# Altium PCB ETH_CAN.PcbDoc (part 1 of 2)
Units mm, origin at the board's own origin, x right, y up, seen from the top; angles counter-clockwise.
Board outline 86 x 80 mm, 2 copper layers (Top Layer, Bottom Layer); 172 components, 128 nets, 655 pads, 126 vias.
Unrouted connection lines stored in the file: 10.
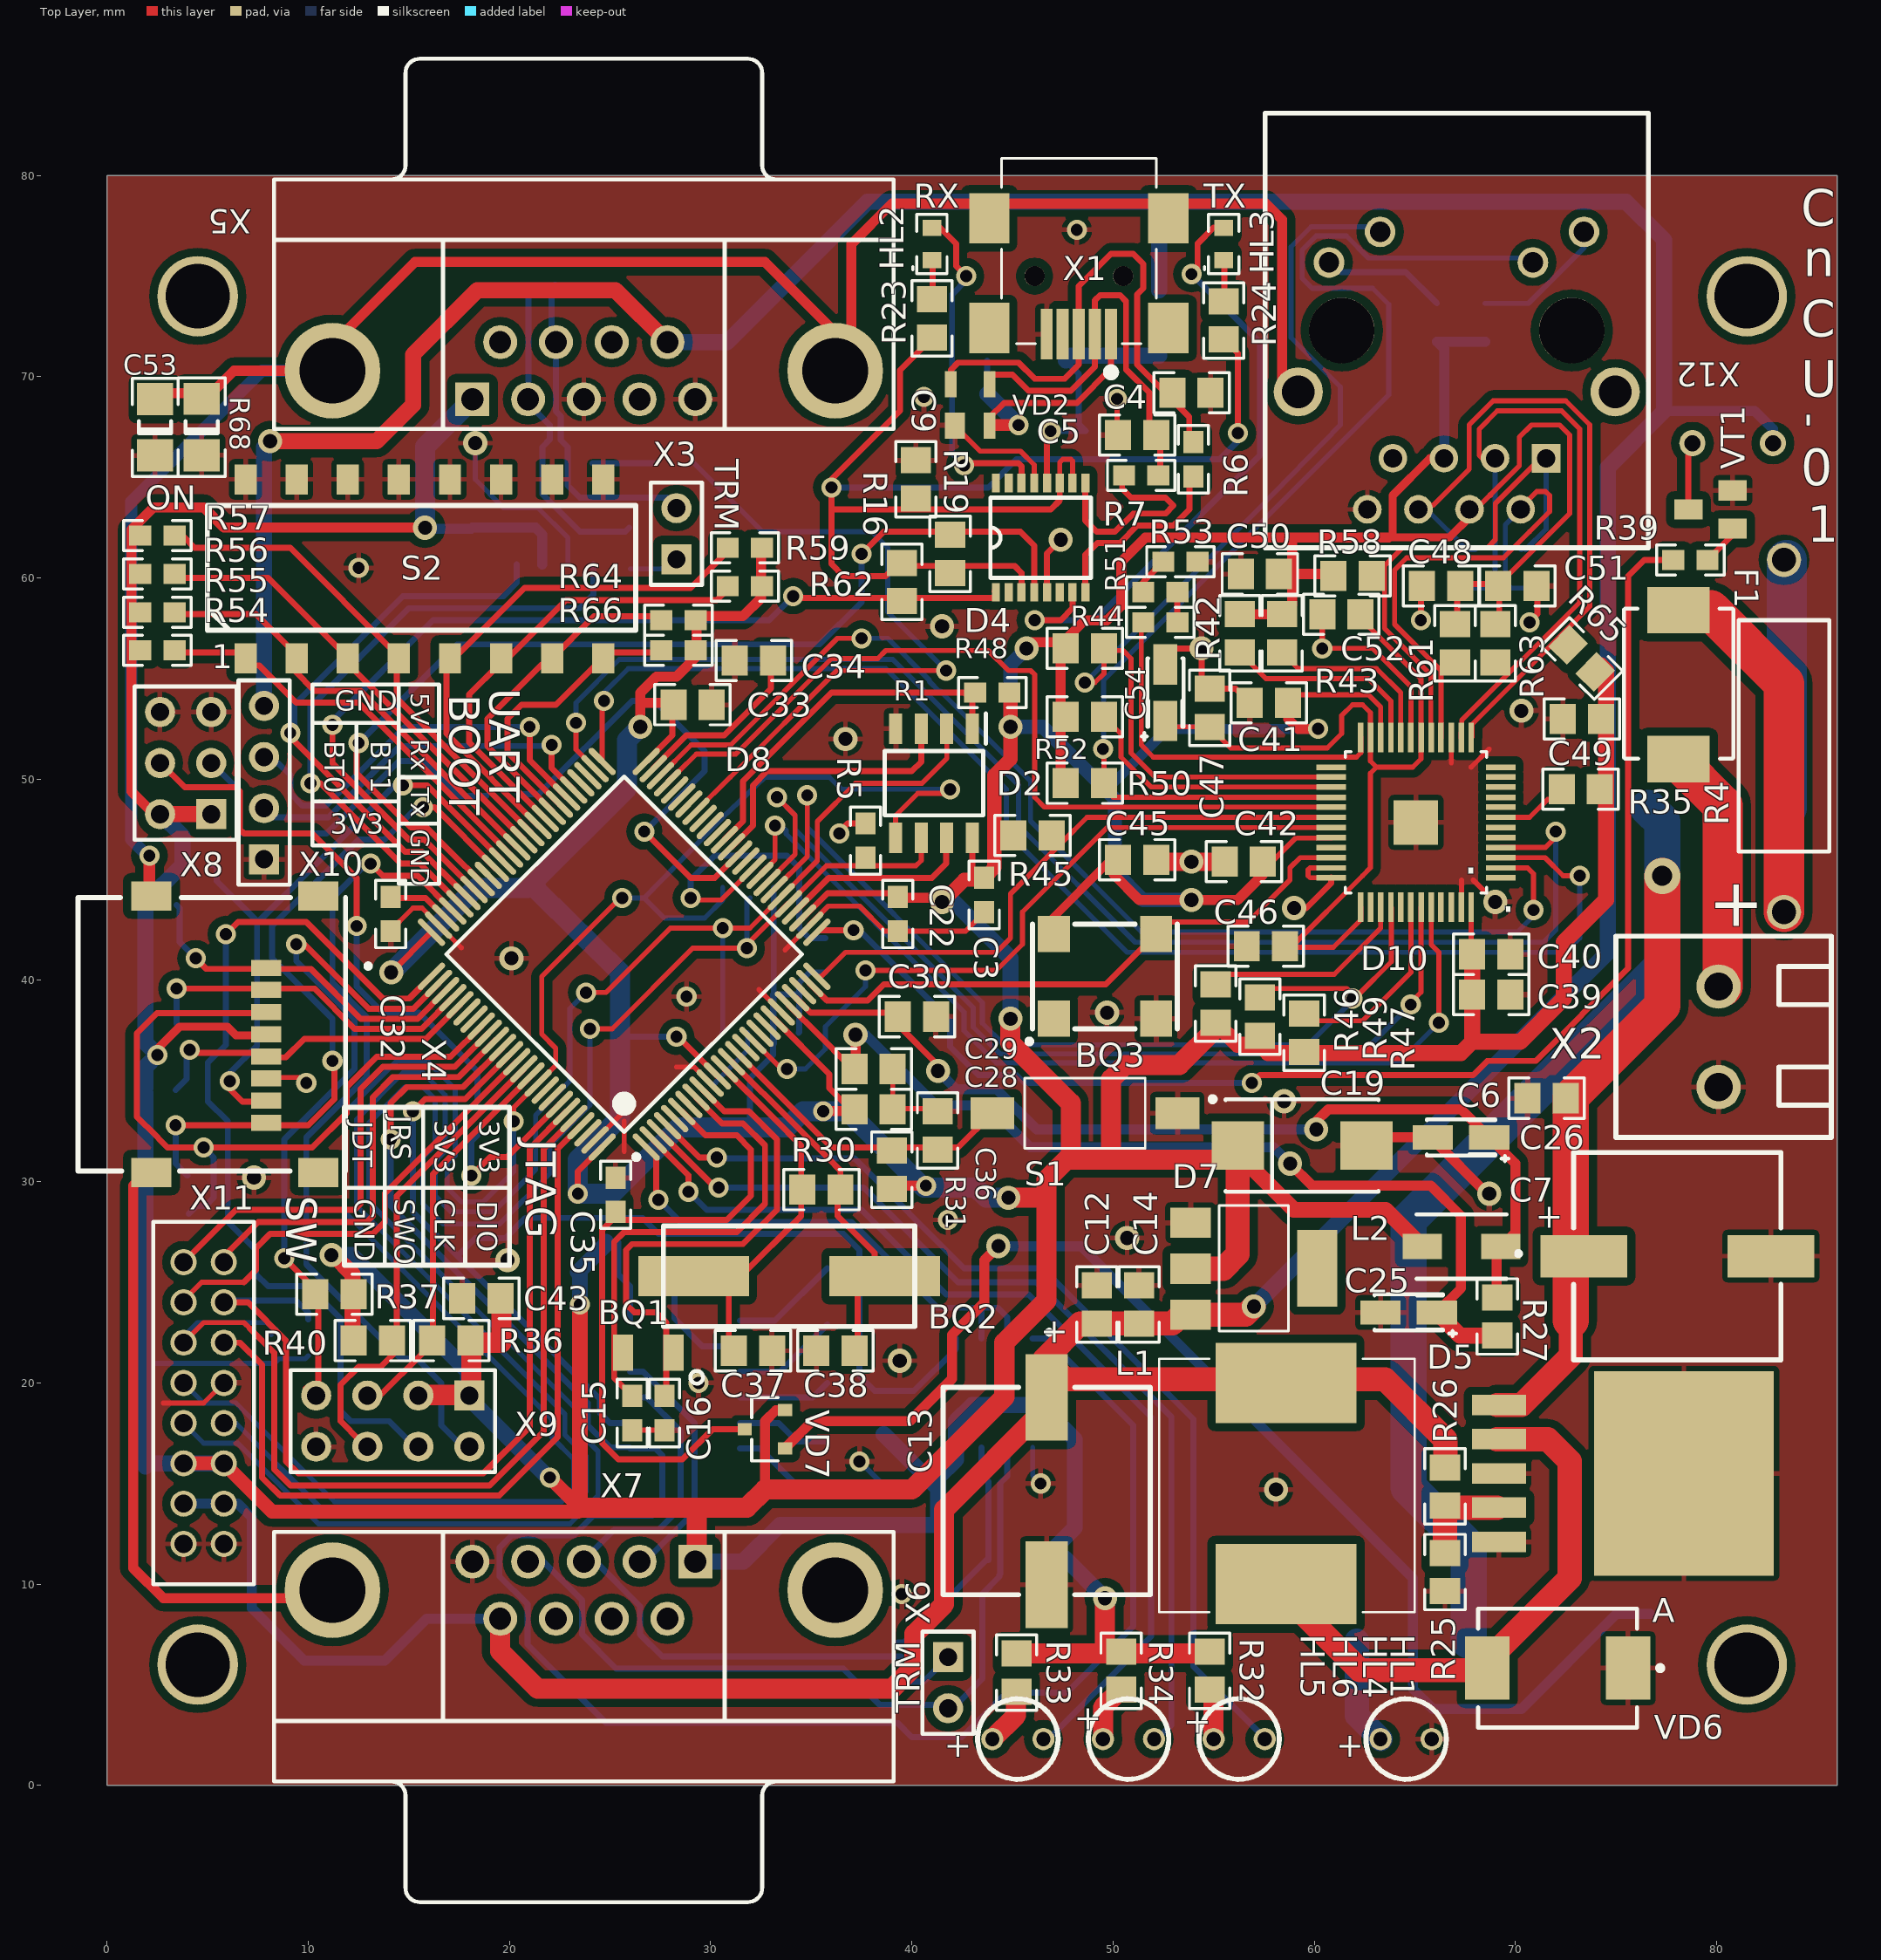
[diagram p0: Top Layer view]
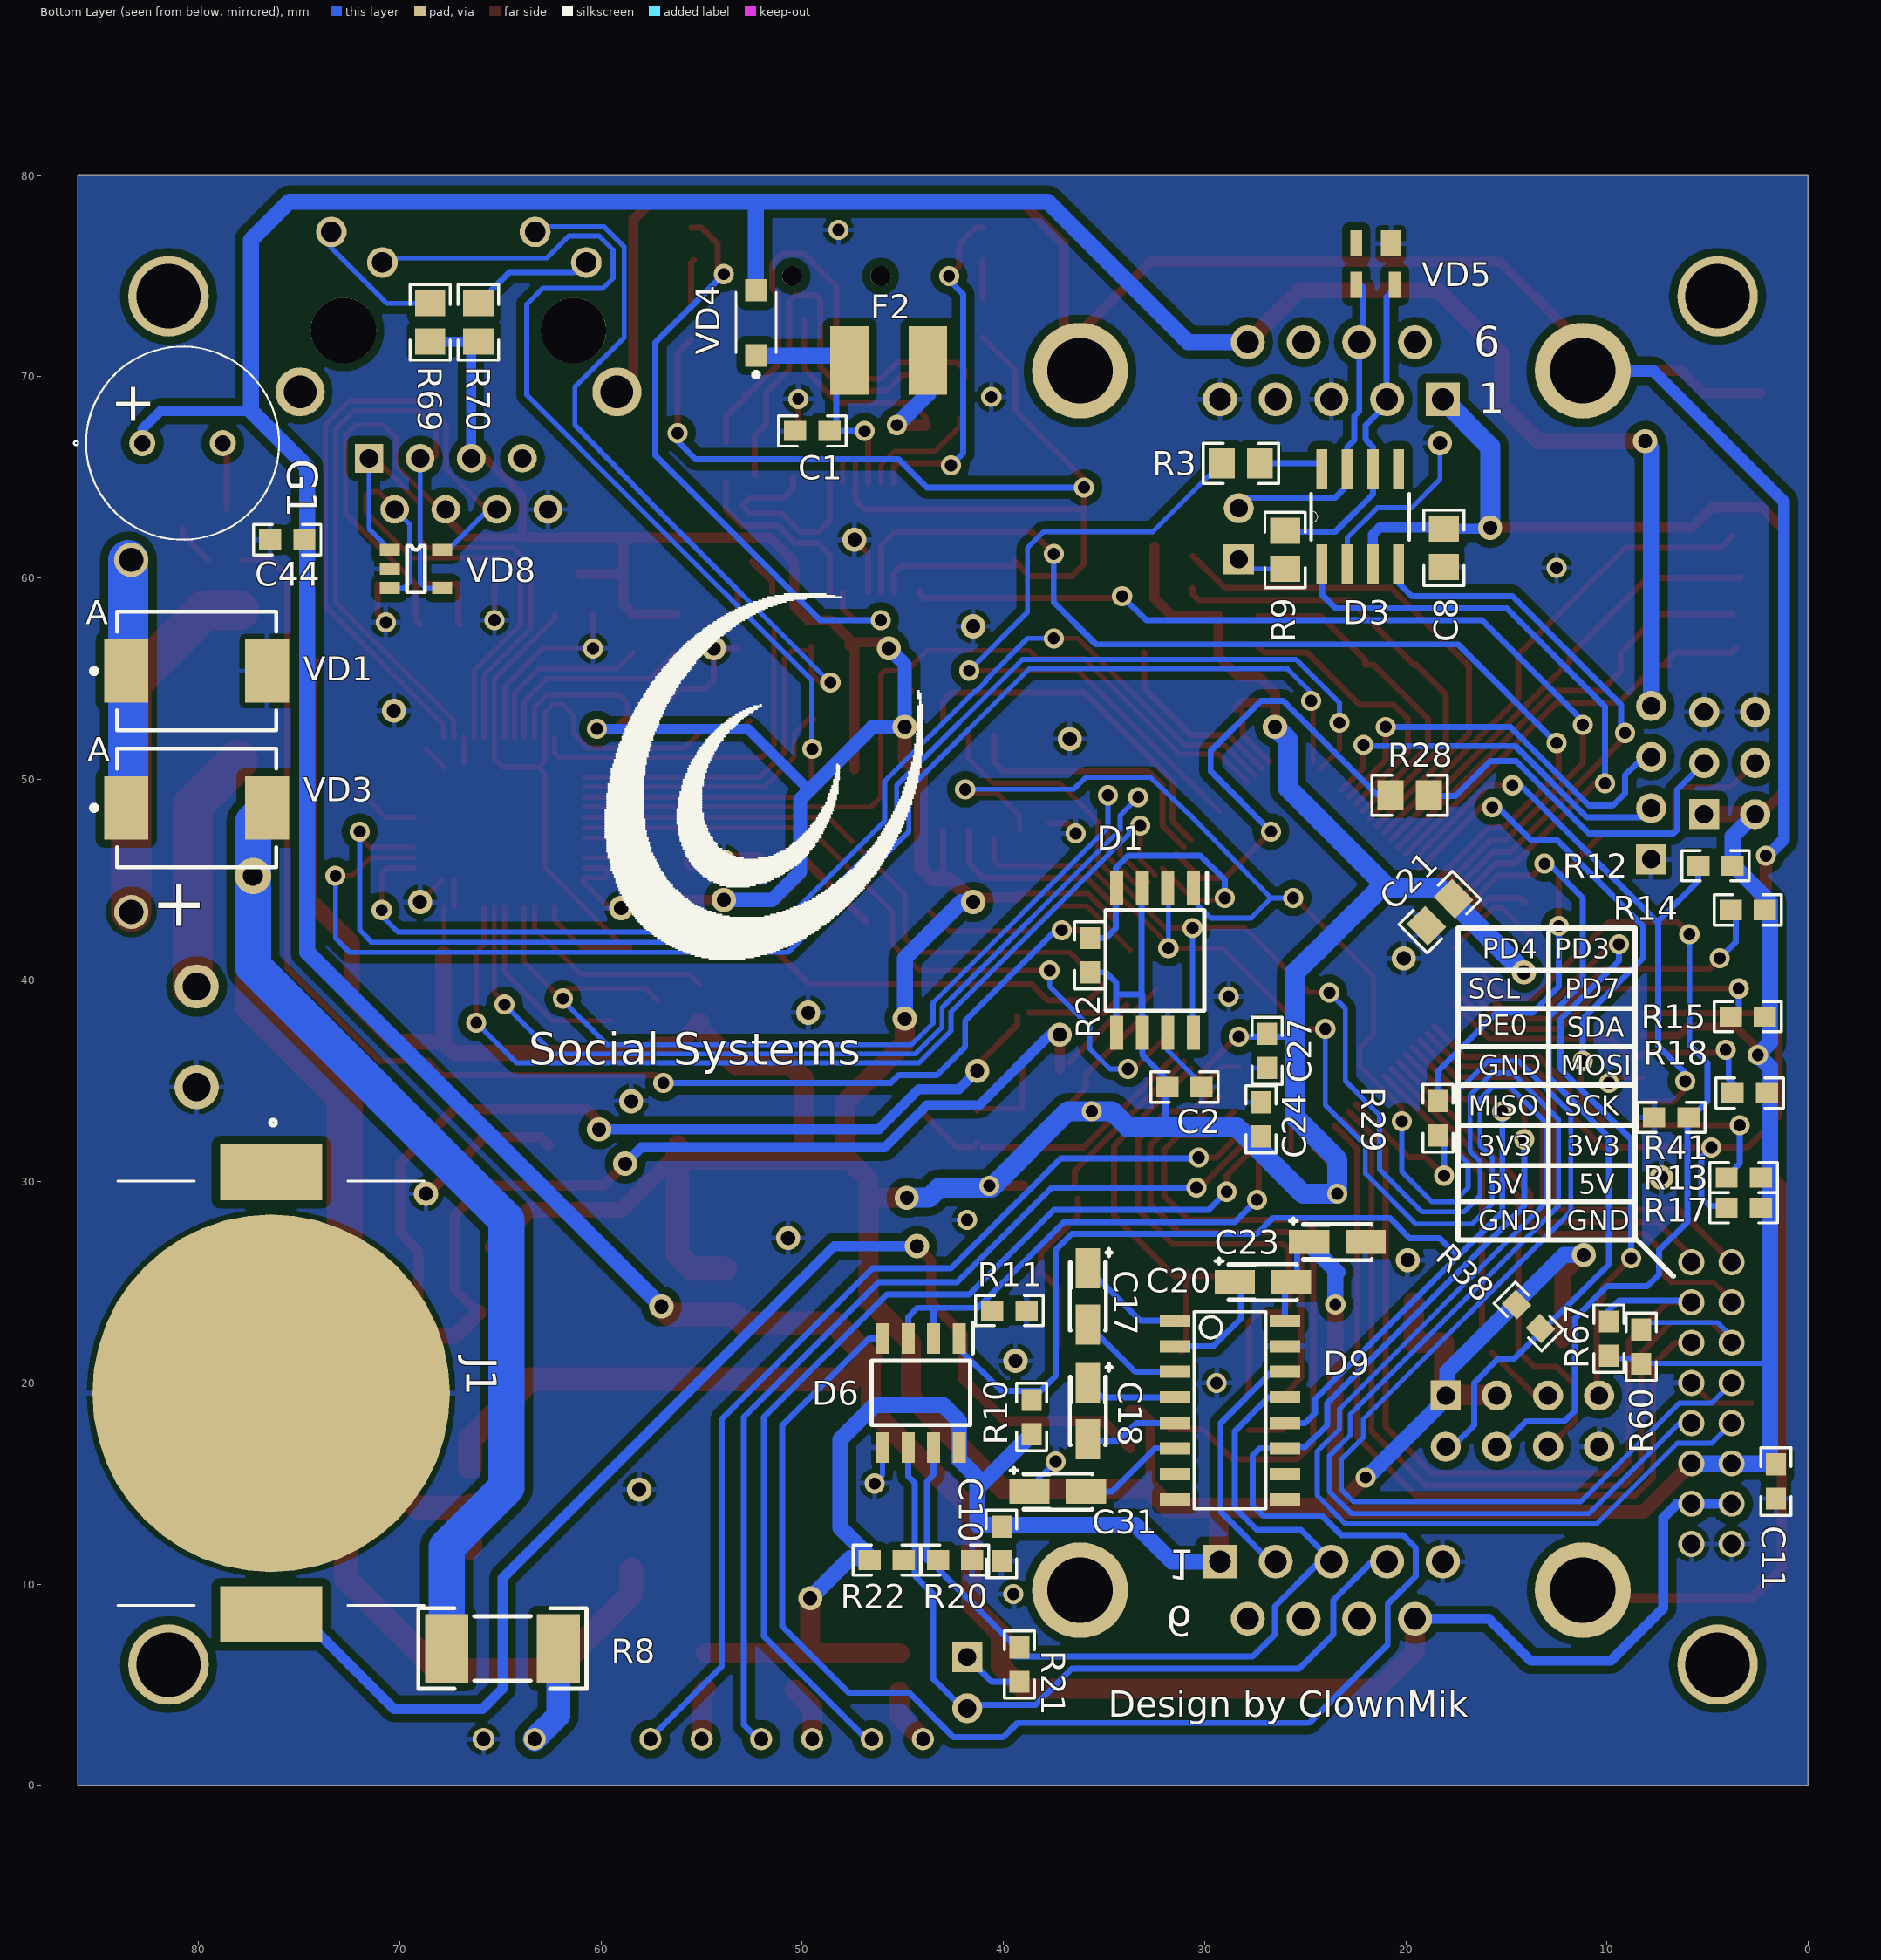
[diagram p1: Bottom Layer view, seen from below]
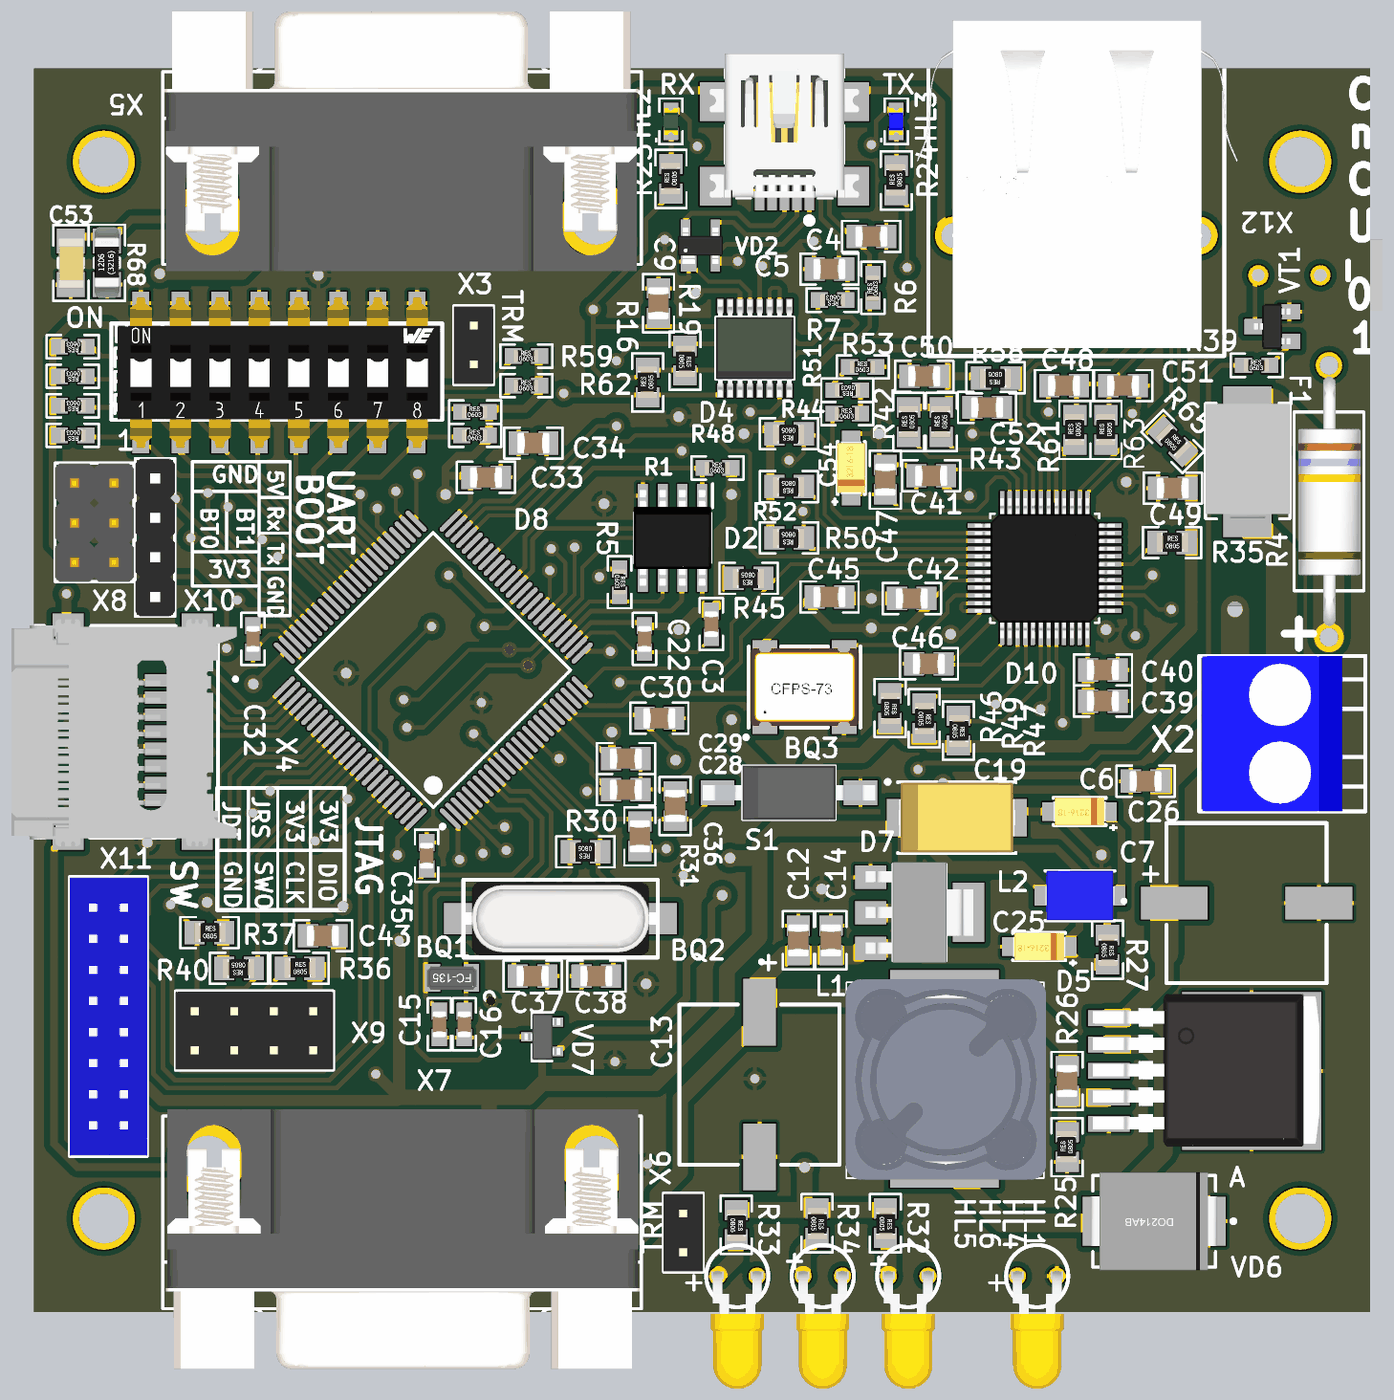
[diagram p3: 3D render of the assembled board from above, using the file's embedded part models]
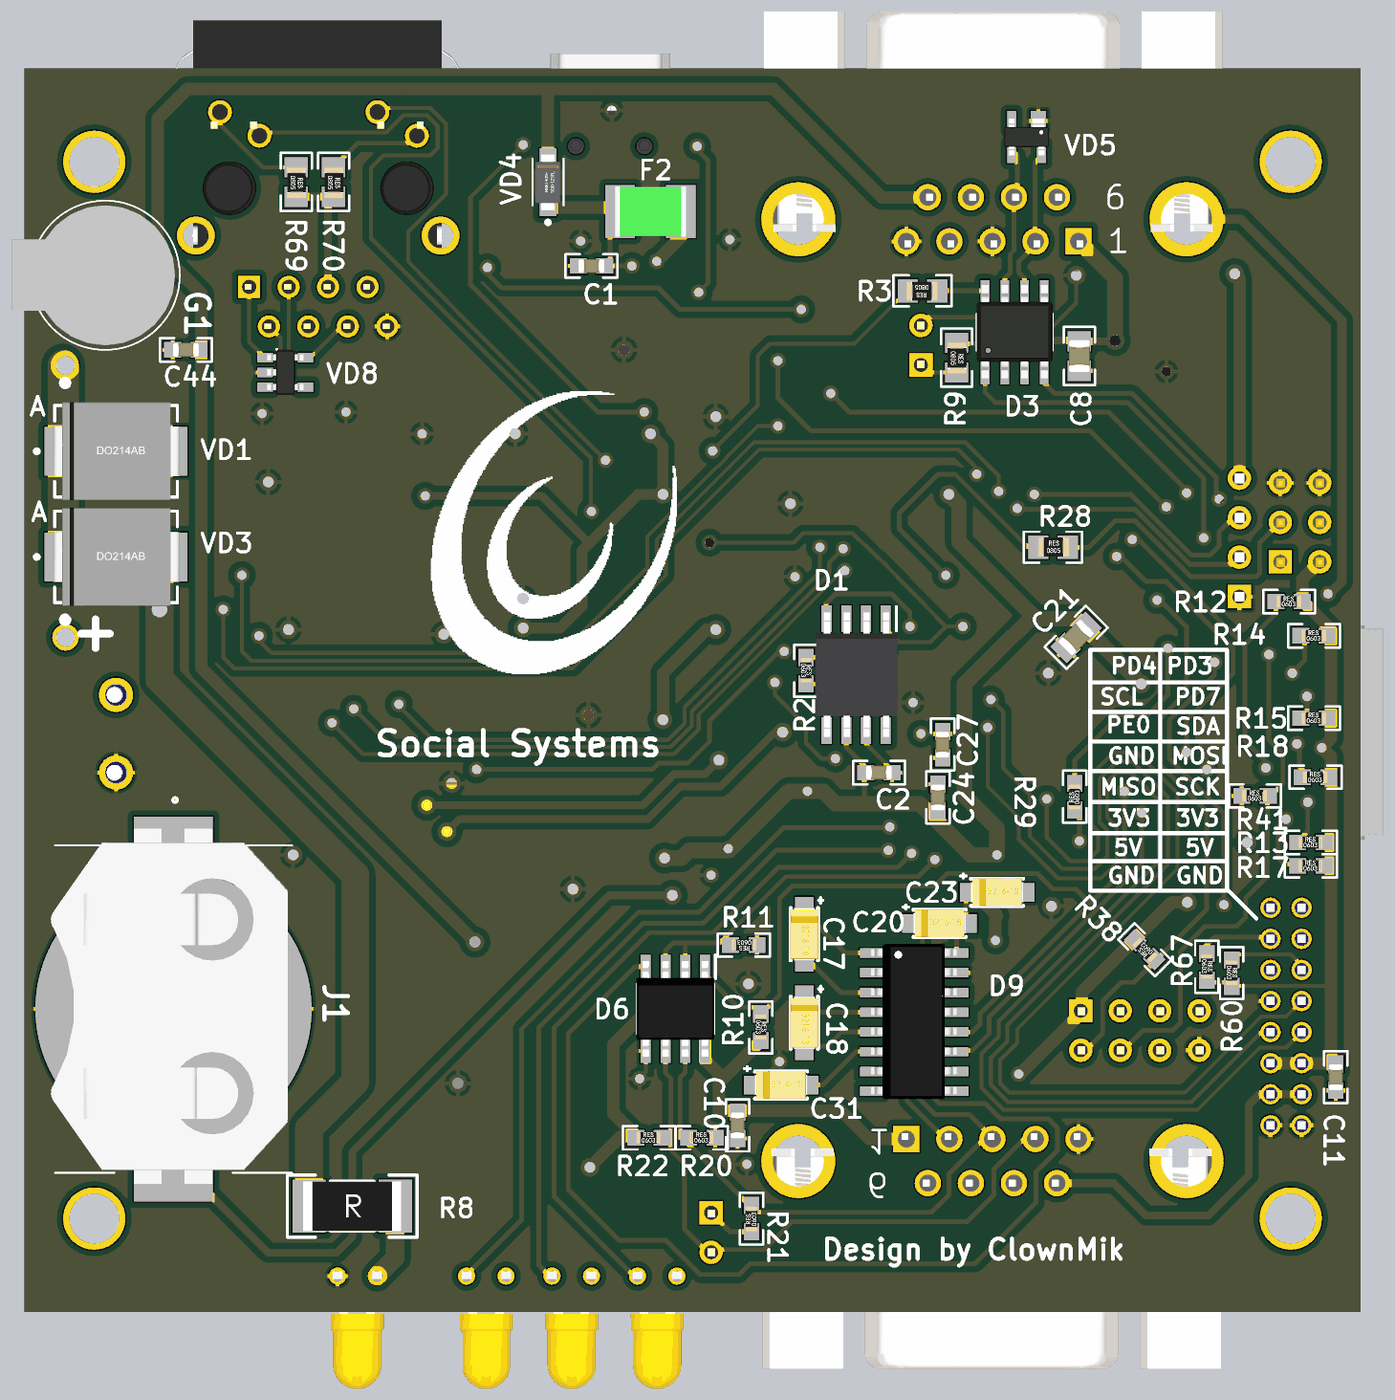
[diagram p4: 3D render of the assembled board from below, using the file's embedded part models]

## Layer stack, top to bottom
Top Solder: solder mask 0.0102, Solder Resist, Dk 3.5
Top Layer: signal copper 0.0356
Dielectric 1: dielectric 0.32, FR-4, Dk 4.8
Bottom Layer: signal copper 0.0356
Bottom Solder: solder mask 0.0102, Solder Resist, Dk 3.5

## Board outline
0,0 86,0 86,80 0,80

## Design rules (kind name [scope] priority, off if disabled: settings)
Clearance Clearance_GND_Poly [InPolygon] p1: gap=0.4 ignorepadtopadclearanceinfootprint=TRUE
Clearance [All] p2: gap=0.2 ignorepadtopadclearanceinfootprint=TRUE
ComponentClearance ComponentClearance_1 [All] p1 off: gap=0.254 collisioncheckmode=3 verticalgap=0.254 showdistances=FALSE
ComponentClearance [All] p2: gap=0 collisioncheckmode=3 verticalgap=0 showdistances=FALSE
DiffPairsRouting [All] p1: maxlimit=0.254 minlimit=0.125 mostfreqgap=0.254 toplayer_minwidth=0.25 toplayer_maxwidth=0.381 toplayer_prefwidth=0.381 bottomlayer_minwidth=0.25 bottomlayer_maxwidth=0.381 bottomlayer_prefwidth=0.381 maxuncoupledlength=12.7
PolygonConnect [All] p1: connectstyle=Relief reliefconductorwidth=0.254 reliefentries=4 polygonreliefangle="90 Angle" airgapwidth=0.254
RoutingVias [All] p1: holewidth=0.711 width=1.27 viastyle="Through Hole" minholewidth=0.6 minwidth=1 maxholewidth=0.711 maxwidth=1.27
SolderMaskExpansion [All] p1: expansion=0.102
Width [All] p1: maxlimit=6 minlimit=0.2 preferedwidth=0.254 toplayer_maxwidth=5 minimp=50.000000 maximp=50.000000 favimp=50.000000
28 further rules are at their usual default settings.

## Classes and differential pairs
differential pair CAN: +CAN_P -CAN_N
differential pair TD: +TD_P -TD_N
differential pair RD: +RD_P -RD_N
differential pair USB: +USB_P -USB_N
differential pair RS485: +RS485_P -RS485_N

## Components (designator, comment, footprint, x,y, rotation, side; value= is the part's Value field where it differs from the comment)
BQ1 "FC-135_32.768KHZ-12.5" FC-135 26.9,21.5 r180 top
BQ2 "HC-49SM 8MHz" HC49SM 33.9,25.3 r180 top
BQ3 "CFPS-73" CFPS-73 49.6,40.2 r0 top
C1 "0603 10uF" C_SMD0603 49.5,67.3 r180 bottom
C2 "0603 100nF" C_SMD0603 31,34.7 r0 bottom
C3 "0603 100nF" C_SMD0603 43.6,44.25 r270 top
C4 "0805 47pF" C_SMD0805 53.9,69.2 r180 top
C5 "0805 47pF" C_SMD0805 51.2,67.1 r0 top
C6 "0805 0.1uF 50V" C_SMD0805 71.55,34.15 r0 top
C7 "220uF 50V" SMD_ELC_CAP 78.075,26.3 r0 top
C8 "0805 100nF" C_SMD0805 18.1,61.5 r90 bottom
C9 "0805 100nF" C_SMD0805 40.2,64.9 r270 top
C10 "0603 100nF" C_SMD0603 40.1,12 r270 bottom
C11 "0603 100nF" C_SMD0603 1.6,15.1 r270 bottom
C12 "0805 100nF" C_SMD0805 49.2,23.9 r270 top
C13 "220uF 25V" SMD_ELC_CAP 46.7,14.6 r270 top
C14 "0805 100nF" C_SMD0805 51.3,23.9 r270 top
C15 "0603 15pF" C_SMD0603 26.1,18.5 r270 top
C16 "0603 15pF" C_SMD0603 27.7,18.5 r270 top
C17 "TECAP_A 35V 0.1uF" TECAP_A 35.8,24.3 r270 bottom
C18 "TECAP_A 35V 0.1uF" TECAP_A 35.8,18.6 r270 bottom
C19 "TECAP_D 16V 100uF" TECAP_D 59.4,31.8 r0 top
C20 "TECAP_A 35V 0.1uF" TECAP_A 27.1,25 r180 bottom
C21 "0805 100nF" C_SMD0805 18.3,43.4 r135 bottom
C22 "0603 100nF" C_SMD0603 39.3,43.3 r90 top
C23 "TECAP_A 35V 0.1uF" TECAP_A 23.4,27 r180 bottom
C24 "0603 100nF" C_SMD0603 27.2,33.1 r270 bottom
C25 "TECAP_A 16V 1uF" TECAP_A 64.7,23.5 r180 top
C26 "TECAP_A 16V 1uF" TECAP_A 67.3,32.2 r180 top
C27 "0603 100nF" C_SMD0603 26.9,36.5 r90 bottom
C28 "0805 100nF" C_SMD0805 38.1,33.6 r180 top
C29 "0805 100nF" C_SMD0805 38.1,35.6 r180 top
C30 "0805 100nF" C_SMD0805 40.25,38.2 r0 top
C31 "TECAP_A 35V 0.1uF" TECAP_A 37.3,14.6 r180 bottom
C32 "0603 2.2uF" C_SMD0603 14.1,43.3 r90 top
C33 "0805 100nF" C_SMD0805 29.1,53.7 r180 top
C34 "0805 2.2uF" C_SMD0805 32.15,55.9 r0 top
C35 "0603 100nF" C_SMD0603 25.275,29.35 r270 top
C36 "0805 100nF" C_SMD0805 41.275,32.55 r90 top
C37 "0805 22pF" C_SMD0805 32.1,21.6 r180 top
C38 "0805 22pF" C_SMD0805 36.2,21.6 r180 top
C39 "0805 100nF" C_SMD0805 68.8,39.3 r0 top
C40 "0805 100nF" C_SMD0805 68.8,41.3 r0 top
C41 "0805 100nF" C_SMD0805 57.75,53.8 r180 top
C42 "0805 100nF" C_SMD0805 56.5,45.9 r180 top
C43 "0805 100nF" C_SMD0805 18.6,24.2 r0 top
C44 "0603 100nF" C_SMD0603 75.6,61.9 r180 bottom
C45 "0805 15pF" C_SMD0805 51.2,46 r180 top
C46 "0805 0.1uF" C_SMD0805 57.6,41.7 r180 top
C47 "0805 0.1uF" C_SMD0805 54.8,53.55 r90 top
C48 "0805 0.1uF" C_SMD0805 66.3,59.6 r0 top
C49 "0805 0.1uF" C_SMD0805 73.3,53 r0 top
C50 "0805 100nF" C_SMD0805 57.3,60.2 r180 top
C51 "0805 100nF" C_SMD0805 70.1,59.6 r0 top
C52 "0805 0.1uF" C_SMD0805 61.35,58.2 r180 top
C53 "1206 100pF 1000V" "CAP SMD1206" 2.4,67.5 r90 top
C54 "TECAP_A 10V 10uF" TECAP_A 52.6,54.3 r90 top
D1 "AT45DB161E" SOIC8(5.3mm) 30.56,44.6 r270 bottom
D2 "M95256(2M)" "SOIC8 (SO-8)" 41.1,49.8 r270 top
D3 "SN65HVD230QDR" SOIC-12 22.265,63.038 r90 bottom
D4 "FT230XS-U" SSOP16 46.4,62 r90 top
D5 "LM2596S-5.0/NOPB" TO263-5 78.4,15.5 r270 top
D6 "ST3485" "SOIC8 (SO-8)" 44.1,19.5 r270 bottom
D7 "LM1117IMPX-3.3/NOPB" SOT223 57,25.7 r270 top
D8 "STM32F407VET6" STM-LQFP100_N 25.7,41.3 r135 top
D9 "ADM3202ARNZ" SOIC-16 28.956,18.581 r270 bottom
D10 "DP83848IVV (DP83848CVVNOPB)" QFP48 65.059,47.853 r180 top
F1 "MF-SM075/60" MF-SM075/60 78.1,51 r90 top
F2 "MF-MSMF050-2" FUSE1812x0 45.7,70.8 r0 bottom
G1 "HC0905A" HC090xA 80.8,66.7 r180 bottom
HL1 "GNL-3014BC-1" LED3mm 63.3,2.3 r0 top
HL2 "TO-1608BC-MYF" LED_SMD1608GREEN 41,76.6 r90 top
HL3 "TO-1608BC-MRE" LED_SMD1608 55.5,76.6 r90 top
HL4 "GNL-3014UYC" LED3mm 55,2.3 r0 top
HL5 "GNL-3014UGC" LED3mm 44,2.3 r0 top
HL6 "GNL-3014SRT (GNL-3014SRD)" LED3mm 49.5,2.3 r0 top
J1 "BK-912-TR" BK-912-TR 76.4,19.485 r270 bottom
L1 "SRR1208-680YL" SRR1208 58.6,15 r90 top
L2 "CM453232-101KL" CM453232-101KL 67.3,26.8 r0 top
R1 "0603 100k" R_SMD0603 44,54.3 r0 top
R2 "0603 100k" R_SMD0603 35.7,41.25 r270 bottom
R3 "0805 0 / (10k)" R_SMD0805 28.2,65.7 r0 bottom
R4 "KNP2WS-2.2 5%" KNP2WS 81.1,46.4 r90 top
R5 "0603 100k" R_SMD0603 37.7,46.95 r270 top
R6 "0603 27" R_SMD0603 54,65.9 r90 top
R7 "0603 27" R_SMD0603 51.4,65.1 r180 top
R8 "2512 1.5k 1%" R_SMD2512 64.9,6.8 r180 bottom
R9 "0805 120" R_SMD0805 26,61.4 r270 bottom
R10 "0603 10k" R_SMD0603 38.6,18.3 r270 bottom
R11 "0603 10k" R_SMD0603 39.7,23.6 r0 bottom
R12 "0603 10k" R_SMD0603 4.6,45.7 r180 bottom
R13 "0603 10k" R_SMD0603 3.2,30.2 r180 bottom
R14 "0603 10k" R_SMD0603 3,43.5 r180 bottom
R15 "0603 10k" R_SMD0603 3,38.2 r180 bottom
R16 "0805 10k" R_SMD0805 39.5,59.8 r90 top
R17 "0603 10k" R_SMD0603 3.2,28.7 r180 bottom
R18 "0603 10k" R_SMD0603 2.9,34.4 r180 bottom
R19 "0805 10k" R_SMD0805 41.9,61.2 r270 top
R20 "0603 560" R_SMD0603 42.4,11.2 r180 bottom
R21 "0603 120" R_SMD0603 39.2,6 r90 bottom
R22 "0603 560" R_SMD0603 45.8,11.2 r180 bottom
R23 "0805 200" R_SMD0805 41,72.9 r90 top
R24 "0805 200" R_SMD0805 55.5,72.8 r90 top
R25 "0805 (240 1%)" R_SMD0805 66.5,10.6 r90 top
R26 "0805 0 Ohm" C_SMD0805 66.5,14.85 r90 top
R27 "0805 47" R_SMD0805 69.1,23.3 r270 top
R28 "0805 10k" R_SMD0805 19.8,49.2 r180 bottom
R29 "0603 10k" R_SMD0603 18.4,33.15 r90 bottom
R30 "0805 1M" R_SMD0805 35.5,29.6 r180 top
R31 "0805 100k" C_SMD0805 39,30.6 r270 top
R32 "0805 130 1%" R_SMD0805 54.8,5.7 r270 top